# Allegro board gps_interface_boardv48ph.brd (continued)
## Footprints (pads in the part's own frame, mm; a bottom-side part is the same pattern mirrored in y, then rotated) (continued)
QFN_7050_6PINS
  rect 1.6x1.6 smd: 1(-2.54,-1.9) 2(0,-1.9) 3(2.54,-1.9) 4(2.54,1.9) 5(0,1.9) 6(-2.54,1.9)
RECEPT_10X2_100MIL
  rect 1.524x1.524 hole 0.889: 1(-1.27,11.43)
  round 1.524 hole 0.889: 2(1.27,11.43) 3(-1.27,8.89) 4(1.27,8.89) 5(-1.27,6.35) 6(1.27,6.35) 7(-1.27,3.81) 8(1.27,3.81) 9(-1.27,1.27) 10(1.27,1.27) 11(-1.27,-1.27) 12(1.27,-1.27) 13(-1.27,-3.81) 14(1.27,-3.81) 15(-1.27,-6.35) 16(1.27,-6.35) 17(-1.27,-8.89) 18(1.27,-8.89) 19(-1.27,-11.43) 20(1.27,-11.43)
RECPT6X2_100
  rect 1.778x1.778 hole 1.016: 1(0,0)
  round 1.778 hole 1.016: 2(2.54,0) 3(0,-2.54) 4(2.54,-2.54) 5(0,-5.08) 6(2.54,-5.08) 7(0,-7.62) 8(2.54,-7.62) 9(0,-10.16) 10(2.54,-10.16) 11(0,-12.7) 12(2.54,-12.7)
RES0402
  rect 0.55x0.6 smd: 1(-0.45,0) 2(0.45,0)
RES0603
  rect 0.95x0.95 smd: 1(-0.75,0) 2(0.75,0)
RES0805
  rect 1.1x1.4 smd: 1(-0.95,0) 2(0.95,0)
SAMTEC_ASP-134606-01
  round 1.001 hole 1.3 unplated: (-27.191,-3.048) (27.191,0)
  round 0.64 smd: C1(24.765,3.175) C2(23.495,3.175) C3(22.225,3.175) C4(20.955,3.175) C5(19.685,3.175) C6(18.415,3.175) C7(17.145,3.175) C8(15.875,3.175) C9(14.605,3.175) C10(13.335,3.175) C11(12.065,3.175) C12(10.795,3.175) C13(9.525,3.175) C14(8.255,3.175) C15(6.985,3.175) C16(5.715,3.175) C17(4.445,3.175) C18(3.175,3.175) C19(1.905,3.175) C20(0.635,3.175) C21(-0.635,3.175) C22(-1.905,3.175) C23(-3.175,3.175) C24(-4.445,3.175) C25(-5.715,3.175) C26(-6.985,3.175) C27(-8.255,3.175) C28(-9.525,3.175) C29(-10.795,3.175) C30(-12.065,3.175) C31(-13.335,3.175) C32(-14.605,3.175) C33(-15.875,3.175) C34(-17.145,3.175) C35(-18.415,3.175) C36(-19.685,3.175) C37(-20.955,3.175) C38(-22.225,3.175) C39(-23.495,3.175) C40(-24.765,3.175) D1(24.765,1.905) D2(23.495,1.905) D3(22.225,1.905) D4(20.955,1.905) D5(19.685,1.905) D6(18.415,1.905) D7(17.145,1.905) D8(15.875,1.905) D9(14.605,1.905) D10(13.335,1.905) D11(12.065,1.905) D12(10.795,1.905) D13(9.525,1.905) D14(8.255,1.905) D15(6.985,1.905) D16(5.715,1.905) D17(4.445,1.905) D18(3.175,1.905) D19(1.905,1.905) D20(0.635,1.905) D21(-0.635,1.905) D22(-1.905,1.905) D23(-3.175,1.905) D24(-4.445,1.905) D25(-5.715,1.905) D26(-6.985,1.905) D27(-8.255,1.905) D28(-9.525,1.905) D29(-10.795,1.905) D30(-12.065,1.905) D31(-13.335,1.905) D32(-14.605,1.905) D33(-15.875,1.905) D34(-17.145,1.905) D35(-18.415,1.905) D36(-19.685,1.905) D37(-20.955,1.905) D38(-22.225,1.905) D39(-23.495,1.905) D40(-24.765,1.905) G1(24.765,-1.905) G2(23.495,-1.905) G3(22.225,-1.905) G4(20.955,-1.905) G5(19.685,-1.905) G6(18.415,-1.905) G7(17.145,-1.905) G8(15.875,-1.905) G9(14.605,-1.905) G10(13.335,-1.905) G11(12.065,-1.905) G12(10.795,-1.905) G13(9.525,-1.905) G14(8.255,-1.905) G15(6.985,-1.905) G16(5.715,-1.905) G17(4.445,-1.905) G18(3.175,-1.905) G19(1.905,-1.905) G20(0.635,-1.905) G21(-0.635,-1.905) G22(-1.905,-1.905) G23(-3.175,-1.905) G24(-4.445,-1.905) G25(-5.715,-1.905) G26(-6.985,-1.905) G27(-8.255,-1.905) G28(-9.525,-1.905) G29(-10.795,-1.905) G30(-12.065,-1.905) G31(-13.335,-1.905) G32(-14.605,-1.905) G33(-15.875,-1.905) G34(-17.145,-1.905) G35(-18.415,-1.905) G36(-19.685,-1.905) G37(-20.955,-1.905) G38(-22.225,-1.905) G39(-23.495,-1.905) G40(-24.765,-1.905) H1(24.765,-3.175) H2(23.495,-3.175) H3(22.225,-3.175) H4(20.955,-3.175) H5(19.685,-3.175) H6(18.415,-3.175) H7(17.145,-3.175) H8(15.875,-3.175) H9(14.605,-3.175) H10(13.335,-3.175) H11(12.065,-3.175) H12(10.795,-3.175) H13(9.525,-3.175) H14(8.255,-3.175) H15(6.985,-3.175) H16(5.715,-3.175) H17(4.445,-3.175) H18(3.175,-3.175) H19(1.905,-3.175) H20(0.635,-3.175) H21(-0.635,-3.175) H22(-1.905,-3.175) H23(-3.175,-3.175) H24(-4.445,-3.175) H25(-5.715,-3.175) H26(-6.985,-3.175) H27(-8.255,-3.175) H28(-9.525,-3.175) H29(-10.795,-3.175) H30(-12.065,-3.175) H31(-13.335,-3.175) H32(-14.605,-3.175) H33(-15.875,-3.175) H34(-17.145,-3.175) H35(-18.415,-3.175) H36(-19.685,-3.175) H37(-20.955,-3.175) H38(-22.225,-3.175) H39(-23.495,-3.175) H40(-24.765,-3.175)
SOIC8
  rect 1.27x0.635 smd: 1(-2.477,1.905) 2(-2.477,0.635) 3(-2.477,-0.635) 4(-2.477,-1.905) 5(2.477,-1.905) 6(2.477,-0.635) 7(2.477,0.635) 8(2.477,1.905)
SOIC127P600X175-8N
  rect 1.55x0.6 smd: 1(-2.7,1.905) 2(-2.7,0.635) 3(-2.7,-0.635) 4(-2.7,-1.905) 5(2.7,-1.905) 6(2.7,-0.635) 7(2.7,0.635) 8(2.7,1.905)
SON65P300X300X100-9N-D
  rect 0.8x0.35 smd: 1(-1.499,0.975) 2(-1.499,0.325) 3(-1.499,-0.325) 4(-1.499,-0.975) 5(1.499,-0.975) 6(1.499,-0.325) 7(1.499,0.325) 8(1.499,0.975)
  rect 1.75x2.5 smd: 9(0,0)
SOP50P310X90-8N
  rect 0.85x0.3 smd: 1(-1.55,0.75) 2(-1.55,0.25) 3(-1.55,-0.25) 4(-1.55,-0.75) 5(1.55,-0.75) 6(1.55,-0.25) 7(1.55,0.25) 8(1.55,0.75)
SOP65P640X110-24N
  rect 1.5x0.45 smd: 1(-2.95,3.575) 2(-2.95,2.925) 3(-2.95,2.275) 4(-2.95,1.625) 5(-2.95,0.975) 6(-2.95,0.325) 7(-2.95,-0.325) 8(-2.95,-0.975) 9(-2.95,-1.625) 10(-2.95,-2.275) 11(-2.95,-2.925) 12(-2.95,-3.575) 13(2.95,-3.575) 14(2.95,-2.925) 15(2.95,-2.275) 16(2.95,-1.625) 17(2.95,-0.975) 18(2.95,-0.325) 19(2.95,0.325) 20(2.95,0.975) 21(2.95,1.625) 22(2.95,2.275) 23(2.95,2.925) 24(2.95,3.575)
SOP65P640X120-14N
  rect 1.5x0.45 smd: 1(-2.9,1.95) 2(-2.9,1.3) 3(-2.9,0.65) 4(-2.9,0) 5(-2.9,-0.65) 6(-2.9,-1.3) 7(-2.9,-1.95) 8(2.9,-1.95) 9(2.9,-1.3) 10(2.9,-0.65) 11(2.9,0) 12(2.9,0.65) 13(2.9,1.3) 14(2.9,1.95)
SOP65P640X120-16N
  rect 1.45x0.45 smd: 1(-2.95,2.275) 2(-2.95,1.625) 3(-2.95,0.975) 4(-2.95,0.325) 5(-2.95,-0.325) 6(-2.95,-0.975) 7(-2.95,-1.625) 8(-2.95,-2.275) 9(2.95,-2.275) 10(2.95,-1.625) 11(2.95,-0.975) 12(2.95,-0.325) 13(2.95,0.325) 14(2.95,0.975) 15(2.95,1.625) 16(2.95,2.275)
SOT23-5
  rect 1.016x0.711 smd: 1(-1.295,0.953) 2(-1.295,0) 3(-1.295,-0.953) 4(1.295,-0.953) 5(1.295,0.953)
SOT95P230X110-3N
  rect 0.95x0.6 smd: 1(-1.15,0.95) 2(-1.15,-0.95) 3(1.15,0)
SOT363
  rect 0.61x0.508 smd: 1(-0.889,0.66) 2(-0.889,0) 3(-0.889,-0.66) 4(0.889,-0.66) 5(0.889,0) 6(0.889,0.66)
SOT-23-8
  rect 0.66x0.381 smd: 1(-1.175,0.975) 2(-1.175,0.325) 3(-1.175,-0.325) 4(-1.175,-0.975) 5(1.175,-0.975) 6(1.175,-0.325) 7(1.175,0.325) 8(1.175,0.975)
TE_1-1634612-0
  rect 1.398x1.398 hole 0.89: 1(0,0)
  round 1.398 hole 0.89: 2(0,2.54)
  round 3.015 hole 2.01: S1(5.08,5.08) S2(5.08,-5.08)
TE_6-2301994-2
  round 3.33 hole 3.33 unplated: (-5.715,0.075) (5.715,0.075)
  rect 1.488x1.488 hole 0.98: P1(-5.715,8.965)
  round 1.488 hole 0.98: P2(-4.445,6.425) P3(-3.175,8.965) P4(-1.905,6.425) P5(-0.635,8.965) P6(0.635,6.425) P7(1.905,8.965) P8(3.175,6.425) P9(4.445,8.965) P10(5.715,6.425)
  round 1.92 hole 1.28: P11(-6.645,-3.985) P12(-4.095,-3.985) P13(4.095,-3.985) P14(6.645,-3.985)
  round 2.52 hole 1.68: S1(-7.855,3.125) S2(7.855,3.125)
TE_2227023-1
  round 1.55 hole 1.55 unplated: (0,4.8) (0,-4.8)
  rect 2x0.5 smd: 1(-4.1,3.4) 2(-4.1,2.6) 3(-4.1,1.8) 4(-4.1,1) 5(-4.1,0.2) 6(-4.1,-0.6) 7(-4.1,-1.4) 8(-4.1,-2.2) 9(-4.1,-3) 10(-4.1,-3.8) 11(4.1,-3.4) 12(4.1,-2.6) 13(4.1,-1.8) 14(4.1,-1) 15(4.1,-0.2) 16(4.1,0.6) 17(4.1,1.4) 18(4.1,2.2) 19(4.1,3) 20(4.1,3.8)
  round 1.358 hole 0.85: S1(-0.9,7.125)
  round 1.458 hole 0.95: S2(1.6,7.125) S3(-3.4,7.125) S4(-8.1,7.125) S5(6.2,4.8) S6(6.2,0) S7(6.2,-4.8) S8(1.6,-7.125) S9(-3.4,-7.125) S10(-8.1,-7.125)
  rect 2x2 hole 1.05: S11(-10.9,7.125) S12(-20.9,7.125) S13(-30.9,7.125) S14(-10.9,1.45) S15(-30.9,-1.45) S16(-10.9,-3.95) S17(-25.9,-7.125) S18(-15.9,-7.125) S19(-5.9,-7.125) S20(4.1,-7.125)
TP_KEYSTONE_5000A
  round 1.65 hole 1: 1(0,0)
TSSOP_24
  rect 1.524x0.406 smd: 1(-2.92,3.575) 2(-2.92,2.925) 3(-2.92,2.275) 4(-2.92,1.625) 5(-2.92,0.975) 6(-2.92,0.325) 7(-2.92,-0.325) 8(-2.92,-0.975) 9(-2.92,-1.625) 10(-2.92,-2.275) 11(-2.92,-2.925) 12(-2.92,-3.575) 13(2.92,-3.575) 14(2.92,-2.925) 15(2.92,-2.275) 16(2.92,-1.625) 17(2.92,-0.975) 18(2.92,-0.325) 19(2.92,0.325) 20(2.92,0.975) 21(2.92,1.625) 22(2.92,2.275) 23(2.92,2.925) 24(2.92,3.575)
UFLRSMT10
  rect 2.2x1.05 smd: 1(-1.475,0) 2(1.475,0)
  rect 1.05x1 smd: 3(0,-1.525)
unnamed#2
  rect 2.794x3.683 hole 2.286x3.175: (0,0)
WE-LHMI_8040
  rect 2.42x3.7 smd: 1(-3.62,0) 2(3.62,0)

## Nets
12V_FANS: C3712.1 C3713.1 C3714.1 C3715.1 F2.2 J27.2(PWR) J28.2(PWR) J29.2(PWR)
12V_FUSE: C41.1 F1.2 FL1.1 TP10.1(TP)
12V_IN: F1.1 F2.1 J300.3 J300.4 TP14.1(TP)
GND_IN: C41.2 FL1.4 J300.1 J300.2
GND_POWER: C3.2 C5.2 C6.2 C7.2 C8.2 C9.2 C10.1 C11.1 C12.1 C13.2 C14.1 C15.1 C16.2 C17.2 C18.1 C19.1 C20.1 C21.2 C22.2 C23.1 C24.1 C25.1 C26.1 C27.1 C28.1 C29.2 C40.2 C42.2 C43.2 C44.2 C49.2 C50.2 C52.2 C53.2 C54.2 C55.2 C57.2 C58.1 C59.2 C60.2 C61.2 C62.2 C63.2 C65.2 C66.2 C67.2 C69.1 C70.2 C71.2 C72.2 C73.2 C74.2 C76.2 C77.2 C78.2 C79.2 C80.2 C81.2 C82.2 C84.1 C85.2 C86.2 C87.2 C88.2 C97.2 C98.2 C99.2 C100.2 C101.2 C102.2 C103.2 C104.2 C105.2 C106.2 C107.2 C108.2 C109.1 C110.1 C111.2 C112.2 C113.2 C115.2 C116.2 C117.2 C119.2 C123.1 C127.2 C128.2 C129.2 C132.2 C133.2 C134.1 C135.1 C136.1 C137.1 C138.2 C139.2 C155.2 C156.2 C157.1 C158.1 C159.1 C160.1 C161.2 C162.2 C178.2 C179.2 C180.1 C181.1 C182.1 C183.1 C184.2 C185.2 C201.2 C202.2 C203.1 C204.1 C205.1 C206.1 C207.2 C208.2 C224.2 C225.2 C226.1 C227.1 C228.1 C229.1 C230.2 C231.2 C247.2 C248.2 C249.1 C250.1 C251.1 C252.1 C253.2 C254.2 C270.1 C271.1 C272.1 C274.2 C275.2 C2650.2 C2660.2 C2670.2 C2680.2 C2710.2 C2712.2 C2713.2 C2714.1 C2717.1 C2718.1 C2719.1 C2722.1 C2723.1 C2724.1 C2725.1 C2726.1 C2727.2 C2728.2 C2729.2 C2730.2 C2731.2 C2733.1 C2734.2 C2739.1 C2740.1 C2741.1 C2742.1 C2743.2 C2744.2 C2745.2 C2746.2 C2749.2 C2750.2 C3712.2 C3713.2 C3714.2 C3715.2 FL1.3 IC1.4 IC2.4 J1.2 J1.S1 J1.S2 J4.2 J4.S1 J4.S2 J5.2 J5.S1 J5.S2 J6.2 J6.S1 J6.S2 J8.C1 J8.C4 J8.C5 J8.C9 J8.C12 J8.C13 J8.C16 J8.C17 J8.C20 J8.C21 J8.C24 J8.C25 J8.C28 J8.C29 J8.C32 J8.C33 J8.C34 J8.C36 J8.C38 J8.C40 J8.D2 J8.D3 J8.D6 J8.D7 J8.D10 J8.D13 J8.D16 J8.D19 J8.D22 J8.D25 J8.D28 J8.D34 J8.D37 J8.D39 J8.G1 J8.G4 J8.G5 J8.G8 J8.G11 J8.G14 J8.G17 J8.G20 J8.G23 J8.G26 J8.G29 J8.G32 J8.G35 J8.G38 J8.G40 J8.H3 J8.H6 J8.H9 J8.H12 J8.H15 J8.H18 J8.H21 J8.H24 J8.H27 J8.H30 J8.H33 J8.H36 J8.H39 J13.1 J13.9 J13.10 J13.11 J13.14 J13.17 J13.20(VEET2) J13.S1 J13.S2 J13.S3 J13.S4 J13.S5 J13.S6 J13.S7 J13.S8 J13.S9 J13.S10 J13.S11 J13.S12 J13.S13 J13.S14 J13.S15 J13.S16 J13.S17 J13.S18 J13.S19 J13.S20 J14.1 J14.9 J14.10 J14.11 J14.14 J14.17 J14.20(VEET2) J14.S1 J14.S2 J14.S3 J14.S4 J14.S5 J14.S6 J14.S7 J14.S8 J14.S9 J14.S10 J14.S11 J14.S12 J14.S13 J14.S14 J14.S15 J14.S16 J14.S17 J14.S18 J14.S19 J14.S20 J17.P10 J17.S1 J17.S2(SHIELD_1) J18.1 J18.9 J18.10 J18.11 J18.14 J18.17 J18.20(VEET2) J18.S1 J18.S2 J18.S3 J18.S4 J18.S5 J18.S6 J18.S7 J18.S8 J18.S9 J18.S10 J18.S11 J18.S12 J18.S13 J18.S14 J18.S15 J18.S16 J18.S17 J18.S18 J18.S19 J18.S20 J19.1 J19.9 J19.10 J19.11 J19.14 J19.17 J19.20(VEET2) J19.S1 J19.S2 J19.S3 J19.S4 J19.S5 J19.S6 J19.S7 J19.S8 J19.S9 J19.S10 J19.S11 J19.S12 J19.S13 J19.S14 J19.S15 J19.S16 J19.S17 J19.S18 J19.S19 J19.S20 J20.1 J20.9 J20.10 J20.11 J20.14 J20.17 J20.20(VEET2) J20.S1 J20.S2 J20.S3 J20.S4 J20.S5 J20.S6 J20.S7 J20.S8 J20.S9 J20.S10 J20.S11 J20.S12 J20.S13 J20.S14 J20.S15 J20.S16 J20.S17 J20.S18 J20.S19 J20.S20 J21.1 J21.9 J21.10 J21.11 J21.14 J21.17 J21.20(VEET2) J21.S1 J21.S2 J21.S3 J21.S4 J21.S5 J21.S6 J21.S7 J21.S8 J21.S9 J21.S10 J21.S11 J21.S12 J21.S13 J21.S14 J21.S15 J21.S16 J21.S17 J21.S18 J21.S19 J21.S20 J27.1 J27.3 J28.1 J28.3 J29.1 J29.3 J30.1 J30.9 J30.10 J30.11 J30.14 J30.17 J30.20(VEET2) J30.S1 J30.S2 J30.S3 J30.S4 J30.S5 J30.S6 J30.S7 J30.S8 J30.S9 J30.S10 J30.S11 J30.S12 J30.S13 J30.S14 J30.S15 J30.S16 J30.S17 J30.S18 J30.S19 J30.S20 J100.1 J100.2 J101.1 J101.2 P1.2 P1.4 P1.6 P1.8 P1.10 P1.12 P2.9 P2.10 P2.13 P2.14 P2.17 P2.18 QZ1.3 R1.2 R4.2 R9.2 R13.2 R14.2 R17.2 R18.2 R23.1 R25.1 R26.1 R33.2 R34.2 R36.2 R37.2 R39.1 R42.2 R43.1 R44.2 R47.2 R49.1 R51.2 R57.2 R62.2 R63.2 R64.2 R65.2 R70.2 R71.1 R72.1 R73.1 R74.2 R79.2 R80.2 R93.2 R94.2 R95.2 R104.2 R105.2 R106.2 R108.2 R109.2 R110.2 R112.2 R113.2 R114.2 R115.2 R117.2 R118.2 R123.2 R126.2 R128.1 R132.2 R133.2 R144.2 R147.2 R149.1 R153.2 R154.2 R165.2 R168.2 R170.1 R174.2 R175.2 R186.2 R189.2 R191.1 R195.2 R196.2 R207.2 R210.2 R212.1 R216.2 R217.2 R228.2 R231.2 R233.1 R237.2 R238.2 R248.2 R249.2 R250.2 R253.2 R255.2 R256.2 R257.2 R258.2 R259.2 R260.2 R261.2 R262.2 R263.2 R264.2 R267.2 R268.2 R2640.2 R2650.2 R2661.2 R2662.2 R2663.2 R2664.2 R2665.2 R2666.2 R2684.2 R2685.2 R2686.1 R2687.2 R2688.2 R2690.2 R2691.2 TP6.1(TP) TP7.1(TP) TP12.1(TP) TP13.1(TP) TP16.1(TP) TP18.1(TP) TP20.1(TP) TP21.1(TP) TP23.1(TP) TP28.1(TP) TP62.1(TP) TP64.1(TP) TP66.1(TP) TP68.1(TP) TP70.1(TP) TP72.1(TP) TP75.1(TP) TP80.1(TP) TP81.1(TP) TP86.1(TP) TP87.1(TP) TP89.1(TP) TP762.1(TP) TP766.1(TP) U1.5 U1.13 U2.2 U3.2 U5.2 U6.3 U6.7 U6.8 U6.9 U6.10 U6.17 U6.18 U6.19 U6.20 U6.24 U6.30 U6.33 U6.34 U6.35 U6.36 U6.37 U6.38 U6.39 U6.40 U6.41 U6.42 U7.8 U7.18 U7.21 U8.4 U8.5 U8.13 U9.8 U9.18 U9.21 U10.4 U10.5 U10.13 U11.8 U11.18 U11.21 U12.8 U12.18 U12.21 U13.4 U13.5 U13.13 U15.2 U16.1(GND) U17.7 U18.9 U19.12 U20.1(GND) U21.1(GND) U22.9 U22.17 U24.3 U26.9 U26.17 U28.3 U30.9 U30.17 U32.3 U34.9 U34.17 U36.3 U38.9 U38.17 U40.3 U42.9 U42.17 U44.3 U46.4 U47.3 U47.4 U48.65 U49.4(VSS) U52.12 U53.12 U54.1(GND) U55.1(GND) U56.1(GND) U57.1(GND) U58.1(GND) U59.1(GND) U60.1(GND) U61.1(GND) U100.C1 U100.C2 U100.D1 U100.D2 U100.D3 U100.D4 U100.D5 U100.E1 U100.E2 U100.E3 U100.E4 U100.E5 U100.F1 U100.F2 U100.G1 U100.G2 U100.H1 U100.H2 U101.8 U101.18 U101.21 U102.4 U102.9 U104.6 U104.7 U104.8 U104.11 U104.13 U104.17 U104.23 U104.30 U104.33 U105.3 U106.3 U107.6 U107.7 U107.14 U107.15 U107.17 Y1.4
VCC2V5: C6.1 C81.1 C82.1 C110.2 C111.1 C115.1 C119.1 C138.1 C139.1 C161.1 C162.1 C184.1 C185.1 C207.1 C208.1 C230.1 C231.1 C253.1 C254.1 C274.1 IC1.8(VCCB) IC2.8(VCCB) L19.2 P2.5 R58.2 R82.2 R116.2 R119.1 R120.1 R130.1 R140.1 R141.1 R151.1 R161.1 R162.1 R172.1 R182.1 R183.1 R193.1 R203.1 R204.1 R214.1 R224.1 R225.1 R235.1 U5.5(VDD) U13.10 U17.14(VCCB) U18.2 U22.12 U26.12 U30.12 U34.12 U38.12 U42.12 U47.8(VCCB) U102.5 U102.8
VCC3V3: C7.1 C13.1 C22.1 C66.1 C67.1 C108.1 C109.2 C112.1 C113.1 C117.1 C132.1 C133.1 C155.1 C156.1 C178.1 C179.1 C201.1 C202.1 C224.1 C225.1 C247.1 C248.1 C270.2 C271.2 C272.2 C2712.1 C2713.1 C2722.2 C2723.2 C2724.2 C2725.2 C2726.2 C2727.1 C2728.1 C2729.1 C2730.1 C2731.1 C2739.2 C2740.2 C2741.2 C2742.2 C2743.1 C2744.1 C2745.1 C2746.1 D1.2 D16.2 D20.2 D24.2 D28.2 D32.2 D36.2 D40.2 D42.2 IC1.1 IC2.1 L1.1 L3.1 L5.1 L7.1 L8.1 L9.1 L10.1 L11.1 L12.1 L13.1 L14.1 L15.1 L16.1 L17.1 L18.1 L20.1 L21.1 L22.2 P1.9 P2.1 P2.2 Q1.3 Q3.3 Q4.3 Q5.3 Q6.3 Q7.3 Q10.3 Q11.3 Q12.3 Q14.3 R24.1 R38.2 R40.2 R50.2 R53.2 R56.2 R61.2 R75.2 R76.2 R77.2 R81.2 R83.1 R84.1 R85.1 R86.1 R87.1 R88.1 R89.1 R90.1 R91.1 R92.1 R96.2 R97.2 R98.2 R99.2 R100.2 R101.2 R102.2 R103.2 R107.2 R111.2 R121.1 R122.1 R124.1 R125.1 R127.1 R129.1 R142.1 R143.1 R145.1 R146.1 R148.1 R150.1 R163.1 R164.1 R166.1 R167.1 R169.1 R171.1 R184.1 R185.1 R187.1 R188.1 R190.1 R192.1 R205.1 R206.1 R208.1 R209.1 R211.1 R213.1 R226.1 R227.1 R229.1 R230.1 R232.1 R234.1 R245.2 R246.2 R247.2 R251.2 R252.2 R266.2 R2676.1 R2677.1 R2679.1 R2681.1 U10.10 U17.1 U18.15(VCCB) U19.24(VCC) U24.5 U28.5 U32.5 U36.5 U40.5 U44.5 U46.8(VCC) U49.8 U52.24(VCC) U53.24(VCC) U104.1 U104.2 U104.10 U104.12 U104.18 U104.24 U104.31 U104.32 U105.5 U106.5 U107.5 U107.8 U107.13 U107.16
VCC3V3_LFILT: C8.1 C9.1 L1.2 U1.2(VCC)
VCC5V: C10.2 C69.2 C84.2 C116.1 L2.1 P1.11 P2.6 R45.2 R265.1 U8.10 U10.12(VDD) U13.12(VDD)
VCC5V5: R2660.2
VCC5V_LFILT: C11.2 C12.2 L2.2 U2.1(VCC) U3.1(VCC)
VCCR_SFP INTERFACE_ACLK SFP: C2714.2 C2717.2 J30.15 L20.2
VCCR_SFP INTERFACE_SFP1: C134.2 C135.2 J13.15 L7.2
VCCR_SFP INTERFACE_SFP2: C157.2 C158.2 J14.15 L9.2
VCCR_SFP INTERFACE_SFP3: C180.2 C181.2 J18.15 L11.2
VCCR_SFP INTERFACE_SFP4: C203.2 C204.2 J19.15 L13.2
VCCR_SFP INTERFACE_SFP5: C226.2 C227.2 J20.15 L15.2
VCCR_SFP INTERFACE_SFP6: C249.2 C250.2 J21.15 L17.2
VCCT_SFP INTERFACE_ACLK SFP: C2718.2 C2719.2 J30.16 L21.2
VCCT_SFP INTERFACE_SFP1: C136.2 C137.2 J13.16 L8.2
VCCT_SFP INTERFACE_SFP2: C159.2 C160.2 J14.16 L10.2
VCCT_SFP INTERFACE_SFP3: C182.2 C183.2 J18.16 L12.2
VCCT_SFP INTERFACE_SFP4: C205.2 C206.2 J19.16 L14.2
VCCT_SFP INTERFACE_SFP5: C228.2 C229.2 J20.16 L16.2
VCCT_SFP INTERFACE_SFP6: C251.2 C252.2 J21.16 L18.2
VDD_FILT: C18.2 C19.2 C20.2 C21.1 C275.1 TP88.1(TP) U48.32 U48.46 U48.60 U102.1
VDDA_FILT: C14.2 C15.2 C16.1 L3.2 U48.13
VDDO8: U48.52
VDDO_FILT: C23.2 C24.2 C25.2 C26.2 C27.2 C28.2 C29.1 L5.2 U48.22 U48.26 U48.29 U48.33 U48.36 U48.40 U48.43 U48.49 U48.57
A0_1: R248.1 U53.21
A0_2: R247.1 U52.21
A0_2V5: R59.2 U13.2
A0_3V3: R55.2 U10.3
A0_5V: R48.2 U8.2
A0_BID: R73.2 R77.1 U49.1
A1_1: R249.1 U53.2
A1_2: R250.1 U52.2
A1_2V5: R60.2 U13.3
A1_5V: R49.2 U8.3
A1_BID: R72.2 R76.1 U49.2
A2_BID: R71.2 R75.1 U49.3
ACLK_TO_CDR_N: C2747.2 TP765.1(TP) U104.4
ACLK_TO_CDR_P: C2748.2 TP764.1(TP) U104.5
BNC_DIR: IC2.5 J15.2 J16.2
CDR_ADDR: R2688.1 U104.19
CLK_FDBACK_N: C37.2 R31.2 U48.62
CLK_FDBACK_P: C36.2 R31.1 U48.61
CLK_FROM_FPGA_N: C2736.2 R2692.2 U48.15
CLK_FROM_FPGA_P: C2735.2 R2692.1 U48.14
CLK_TO_SFP.CLK_TO_SFP_N0: U22.7 U48.23
CLK_TO_SFP.CLK_TO_SFP_N1: U26.7 U48.27
CLK_TO_SFP.CLK_TO_SFP_N2: U30.7 U48.30
CLK_TO_SFP.CLK_TO_SFP_N3: U34.7 U48.34
CLK_TO_SFP.CLK_TO_SFP_N4: U38.7 U48.37
CLK_TO_SFP.CLK_TO_SFP_N5: U42.7 U48.41
CLK_TO_SFP.CLK_TO_SFP_P0: U22.6 U48.24
CLK_TO_SFP.CLK_TO_SFP_P1: U26.6 U48.28
CLK_TO_SFP.CLK_TO_SFP_P2: U30.6 U48.31
CLK_TO_SFP.CLK_TO_SFP_P3: U34.6 U48.35
CLK_TO_SFP.CLK_TO_SFP_P4: U38.6 U48.38
CLK_TO_SFP.CLK_TO_SFP_P5: U42.6 U48.42
CML_SFP_TD_N_SFP INTERFACE_SFP1: C141.1 R120.2 U22.10
CML_SFP_TD_N_SFP INTERFACE_SFP2: C164.1 R141.2 U26.10
CML_SFP_TD_N_SFP INTERFACE_SFP3: C187.1 R162.2 U30.10
CML_SFP_TD_N_SFP INTERFACE_SFP4: C210.1 R183.2 U34.10
CML_SFP_TD_N_SFP INTERFACE_SFP5: C233.1 R204.2 U38.10
CML_SFP_TD_N_SFP INTERFACE_SFP6: C256.1 R225.2 U42.10
CML_SFP_TD_P_SFP INTERFACE_SFP1: C140.1 R119.2 U22.11
CML_SFP_TD_P_SFP INTERFACE_SFP2: C163.1 R140.2 U26.11
CML_SFP_TD_P_SFP INTERFACE_SFP3: C186.1 R161.2 U30.11
CML_SFP_TD_P_SFP INTERFACE_SFP4: C209.1 R182.2 U34.11
CML_SFP_TD_P_SFP INTERFACE_SFP5: C232.1 R203.2 U38.11
CML_SFP_TD_P_SFP INTERFACE_SFP6: C255.1 R224.2 U42.11
FB_2V5: C83.2 C2690.2 U12.3 U101.3
FB_3V3_1: C64.2 U9.3
FB_3V3_2: C75.2 U11.3
FB_5V: C56.2 R46.2 R47.1 U7.3
FB_5V5: C51.2 R36.1 R41.2 U6.32
FMC.ACLK_FROM_SFP_N: J8.C7 U107.11
FMC.ACLK_FROM_SFP_P: J8.C6 U107.12
FMC.ACLK_REFCLK_N: J8.D5 QZ1.5
FMC.ACLK_REFCLK_P: J8.D4 QZ1.4
FMC.ACLK_SFP_SCL: J30.5 R102.1 TP890.1(TP) U19.20 U104.20
FMC.ACLK_SFP_SDA: J30.4 R103.1 TP880.1(TP) U19.19 U104.21
FMC.ACLK_SFP_TX_DIS: J30.3 U52.20
FMC.ACLK_TO_SFP_N: J8.C3 J30.19
FMC.ACLK_TO_SFP_P: J8.C2 J30.18
FMC.AUXOUT0_N: J8.G16 P2.7
FMC.AUXOUT0_P: J8.G15 P2.8
FMC.AUXOUT1_N: J8.G19 P2.11
FMC.AUXOUT1_P: J8.G18 P2.12
FMC.AUXOUT2_N: J8.G22 P2.15
FMC.AUXOUT2_P: J8.G21 P2.16
FMC.AUXOUT3_N: J8.G25 P2.19
FMC.AUXOUT3_P: J8.G24 P2.20
FMC.CLK_FILTER_A: U1.1 U18.16
FMC.CLK_FILTER_B: U1.6 U18.14
FMC.CLK_FROM_FPGA_N: C2736.1 J8.G10
FMC.CLK_FROM_FPGA_P: C2735.1 J8.G9
FMC.CLK_GEN_INTR*: U17.4 U48.12
FMC.CLK_GEN_LOL*: Q1.1 U17.5 U48.47
FMC.CLK_GEN_RST*: U18.12 U48.6
FMC.CLK_TO_FPGA_N: J8.G3 U48.44
FMC.CLK_TO_FPGA_P: J8.G2 U48.45
FMC.DATA_TO_FF_N0: J8.H8 U22.3
FMC.DATA_TO_FF_N1: J8.H11 U26.3
FMC.DATA_TO_FF_N2: J8.H14 U30.3
FMC.DATA_TO_FF_N3: J8.H17 U34.3
FMC.DATA_TO_FF_N4: J8.H20 U38.3
FMC.DATA_TO_FF_N5: J8.H23 U42.3
FMC.DATA_TO_FF_P0: J8.H7 U22.2
FMC.DATA_TO_FF_P1: J8.H10 U26.2
FMC.DATA_TO_FF_P2: J8.H13 U30.2
FMC.DATA_TO_FF_P3: J8.H16 U34.2
FMC.DATA_TO_FF_P4: J8.H19 U38.2
FMC.DATA_TO_FF_P5: J8.H22 U42.2
FMC.FPGA_CLK_FILTER_A: J8.C14 U18.1
FMC.FPGA_CLK_FILTER_B: J8.C15 U18.3
FMC.FPGA_CLK_GEN_INTR*: J8.C27 U17.11
FMC.FPGA_CLK_GEN_LOL*: J8.C10 U17.10
FMC.FPGA_CLK_GEN_RST*: J8.C26 U18.5
FMC.FPGA_GPS_CLK_EN*: J8.C11 U18.4
FMC.FPGA_I2C_EXT_INT0*: J8.D14 U17.13
FMC.FPGA_I2C_EXT_INT1*: J8.D15 U17.12
FMC.FPGA_I2C_EXT_RST*: J8.C18 U18.6
FMC.FPGA_I2C_SW_RST*: J8.D17 U18.7
FMC.FPGA_IO_VOLTAGE: C105.1 C106.1 C107.1 J8.G39(VCC_IO_2) J8.H40 Q11.1 R78.1 U15.1 U15.6(VCC)
FMC.GPS_CLK_COPY_N: J8.G7 U1.9
FMC.GPS_CLK_COPY_P: J8.G6 U1.8
FMC.GPS_CLK_EN*: R1.1 U1.12 U18.13
FMC.GPS_IRIGB: J8.D18 U47.7
FMC.GPS_PPS_N: J8.H5 R12.2 R14.1
FMC.GPS_PPS_P: J8.H4 R11.2 R13.1
FMC.GPS_SYNC_OUT_N: J8.D21 R16.2 R18.1
FMC.GPS_SYNC_OUT_P: J8.D20 R15.2 R17.1
FMC.I2C_EXT_INT0*: R251.1 U17.2 U53.1
FMC.I2C_EXT_INT1*: R252.1 U17.3 U52.1
FMC.I2C_EXT_RST*: R245.1 R246.1 U18.11 U52.3 U53.3
FMC.PG_1V8: P2.4 Q7.1 R38.1 U102.6(PG)
FMC.PWR_GOOD: J8.D1 P2.3
FMC.RECOV_ACLK_CLK_N: C2738.1 U104.25
FMC.RECOV_ACLK_CLK_P: C2737.1 U104.26
FMC.RECOV_ACLK_DATA_N: J8.G13 U104.28
FMC.RECOV_ACLK_DATA_P: J8.G12 U104.29
FMC.RECOV_DATA_N0: J8.H26 J13.12 TP56.1(TP)
FMC.RECOV_DATA_N1: J8.H29 J14.12 TP57.1(TP)
FMC.RECOV_DATA_N2: J8.H32 J18.12 TP58.1(TP)
FMC.RECOV_DATA_N3: J8.H35 J19.12 TP59.1(TP)
FMC.RECOV_DATA_N4: J8.H38 J20.12 TP60.1(TP)
FMC.RECOV_DATA_N5: J8.G37 J21.12 TP61.1(TP)
FMC.RECOV_DATA_P0: J8.H25 J13.13 TP50.1(TP)
FMC.RECOV_DATA_P1: J8.H28 J14.13 TP51.1(TP)
FMC.RECOV_DATA_P2: J8.H31 J18.13 TP52.1(TP)
FMC.RECOV_DATA_P3: J8.H34 J19.13 TP53.1(TP)
FMC.RECOV_DATA_P4: J8.H37 J20.13 TP54.1(TP)
FMC.RECOV_DATA_P5: J8.G36 J21.13 TP55.1(TP)
FMC.SCL0: R90.2 TP45.1(TP) U8.6 U10.6 U13.6 U19.5 U46.2 U48.16 U52.22 U53.22
FMC.SCL1: J13.5 R88.2 TP43.1(TP) U19.7
FMC.SCL2: J14.5 R86.2 TP41.1(TP) U19.9
FMC.SCL3: J18.5 R84.2 TP39.1(TP) U19.11
FMC.SCL4: J19.5 R96.1 TP33.1(TP) U19.14
FMC.SCL5: J20.5 R98.1 TP31.1(TP) U19.16
FMC.SCL6: J21.5 R100.1 TP34.1(TP) U19.18
FMC.SCL_FPGA: J8.C30 R91.2 TP25.1(TP) U19.22 U49.6
FMC.SDA0: R89.2 TP44.1(TP) U8.7 U8.8 U10.7 U10.8 U13.7 U13.8 U19.4 U46.1 U48.18 U52.23 U53.23
FMC.SDA1: J13.4 R87.2 TP42.1(TP) U19.6
FMC.SDA2: J14.4 R85.2 TP40.1(TP) U19.8
FMC.SDA3: J18.4 R83.2 TP38.1(TP) U19.10
FMC.SDA4: J19.4 R97.1 TP32.1(TP) U19.13
FMC.SDA5: J20.4 R99.1 TP30.1(TP) U19.15
FMC.SDA6: J21.4 R101.1 TP35.1(TP) U19.17
FMC.SDA_FPGA: J8.C31 R92.2 TP26.1(TP) U19.23 U49.5
FMC.SFP_TX_DISABLE0: J13.3 U52.13
FMC.SFP_TX_DISABLE1: J14.3 U52.14
FMC.SFP_TX_DISABLE2: J18.3 U52.15
FMC.SFP_TX_DISABLE3: J19.3 U52.16
FMC.SFP_TX_DISABLE4: J20.3 U52.17
FMC.SFP_TX_DISABLE5: J21.3 U52.18
FMC.SPARE_BNC_0: IC2.7 J8.D23 TP82.1(TP)
FMC.SPARE_BNC_1: IC2.6 J8.D24 TP83.1(TP)
FMC.SPARE_LEMO_0: IC1.7 J8.D26 TP84.1(TP)
FMC.SPARE_LEMO_1: IC1.6 J8.D27 TP85.1(TP)
FMC.SPARE_RJ45_0_N: J8.D9 J17.P3 U5.3
FMC.SPARE_RJ45_0_P: J8.D8 J17.P2 U5.1
FMC.SPARE_RJ45_1_N: J8.D12 J17.P5 U5.6
FMC.SPARE_RJ45_1_P: J8.D11 J17.P4 U5.4
FMC.SPARE_RJ45_LED_0: J8.G30 Q10.1
FMC.SPARE_RJ45_LED_1: J8.G31 Q14.1
FMC.TEMP_INTR*: J8.G27 U46.3
FPGA_3V3: C100.1 C101.1 C102.1 C103.1 C104.1 J8.C39 J8.D32 J8.D36 J8.D38 J8.D40
FPGA_12V: C97.1 C98.1 C99.1 J8.C35 J8.C37
GPS_CLK10_N: C39.2 R35.2 U48.64
GPS_CLK10_P: C38.2 R35.1 U48.63
GPS_CLK_IN: J1.1(SIG) R2.1
GPS_GROUP.GPS_CLK_N: C39.1 U1.10
GPS_GROUP.GPS_CLK_P: C38.1 U1.11
GPS_IRIGB_IN: J4.1(SIG) R264.1 U47.2
GPS_PPS_IN: J5.1(SIG) R267.1 U2.3
GPS_SYNC_IN: J6.1(SIG) R268.1 U3.3
I2C_SW_RST*: U18.10 U19.3
INTVCC_2V5: C86.1 R59.1 R60.1 U13.1
INTVCC_3V3: C74.1 R55.1 U10.1
INTVCC_5V: C59.1 R48.1 U8.1
LED_0: J17.P11 Q10.2(S)
LED_1: J17.P14 Q14.2(S)
LEMO_DIR: IC1.5 J11.2 J12.2
MOD_ABS_SFP INTERFACE_ACLK SFP: J30.6 R2679.2
MOD_ABS_SFP INTERFACE_SFP1: J13.6 R127.2
MOD_ABS_SFP INTERFACE_SFP2: J14.6 R148.2
MOD_ABS_SFP INTERFACE_SFP3: J18.6 R169.2
MOD_ABS_SFP INTERFACE_SFP4: J19.6 R190.2
MOD_ABS_SFP INTERFACE_SFP5: J20.6 R211.2
MOD_ABS_SFP INTERFACE_SFP6: J21.6 R232.2
N04910_SFP INTERFACE_SFP1: U22.1 U22.4
N04910_SFP INTERFACE_SFP2: U26.1 U26.4
N04910_SFP INTERFACE_SFP3: U30.1 U30.4
N04910_SFP INTERFACE_SFP4: U34.1 U34.4
N04910_SFP INTERFACE_SFP5: U38.1 U38.4
N04910_SFP INTERFACE_SFP6: U42.1 U42.4
N04977_SFP INTERFACE_SFP1: U22.5 U22.8
N04977_SFP INTERFACE_SFP2: U26.5 U26.8
N04977_SFP INTERFACE_SFP3: U30.5 U30.8
N04977_SFP INTERFACE_SFP4: U34.5 U34.8
N04977_SFP INTERFACE_SFP5: U38.5 U38.8
N04977_SFP INTERFACE_SFP6: U42.5 U42.8
N136741_SFP INTERFACE_ACLK SFP: D41.1(CATHODE) R2684.1
N136741_SFP INTERFACE_SFP1: D17.1(CATHODE) R132.1
N136741_SFP INTERFACE_SFP2: D21.1(CATHODE) R153.1
N136741_SFP INTERFACE_SFP3: D25.1(CATHODE) R174.1
N136741_SFP INTERFACE_SFP4: D29.1(CATHODE) R195.1
N136741_SFP INTERFACE_SFP5: D33.1(CATHODE) R216.1
N136741_SFP INTERFACE_SFP6: D37.1(CATHODE) R237.1
N141568_SFP INTERFACE_ACLK SFP: D41.2 R2683.2 U105.4(Y)
N141568_SFP INTERFACE_SFP1: D17.2 R131.2 U24.4(Y)
N141568_SFP INTERFACE_SFP2: D21.2 R152.2 U28.4(Y)
N141568_SFP INTERFACE_SFP3: D25.2 R173.2 U32.4(Y)
N141568_SFP INTERFACE_SFP4: D29.2 R194.2 U36.4(Y)
N141568_SFP INTERFACE_SFP5: D33.2 R215.2 U40.4(Y)
N141568_SFP INTERFACE_SFP6: D37.2 R236.2 U44.4(Y)
N210584_SFP INTERFACE_ACLK SFP: D40.1(K) R2683.1 R2685.1
N210584_SFP INTERFACE_SFP1: D16.1(K) R131.1 R133.1
N210584_SFP INTERFACE_SFP2: D20.1(K) R152.1 R154.1
N210584_SFP INTERFACE_SFP3: D24.1(K) R173.1 R175.1
N210584_SFP INTERFACE_SFP4: D28.1(K) R194.1 R196.1
N210584_SFP INTERFACE_SFP5: D32.1(K) R215.1 R217.1
N210584_SFP INTERFACE_SFP6: D36.1(K) R236.1 R238.1
PG_2V5: Q6.1 R61.1 U12.4 U101.4
PG_3V3: Q5.1 R56.1 U9.4 U11.4
PG_3V5: Q3.1 R40.1 U6.31
PG_5V: Q4.1 R50.1 U7.4
PGOOD_P5V5: R2660.1 U100.B2
PPS_OUT_N: R12.1 U2.6
PPS_OUT_P: R11.1 U2.7
R_N_SFP INTERFACE_SFP1: R130.2 U22.15
R_N_SFP INTERFACE_SFP2: R151.2 U26.15
R_N_SFP INTERFACE_SFP3: R172.2 U30.15
R_N_SFP INTERFACE_SFP4: R193.2 U34.15
R_N_SFP INTERFACE_SFP5: R214.2 U38.15
R_N_SFP INTERFACE_SFP6: R235.2 U42.15
R_P_SFP INTERFACE_SFP1: R128.2 U22.14
R_P_SFP INTERFACE_SFP2: R149.2 U26.14